# KiCad board hscalla.kicad_pcb (continued)
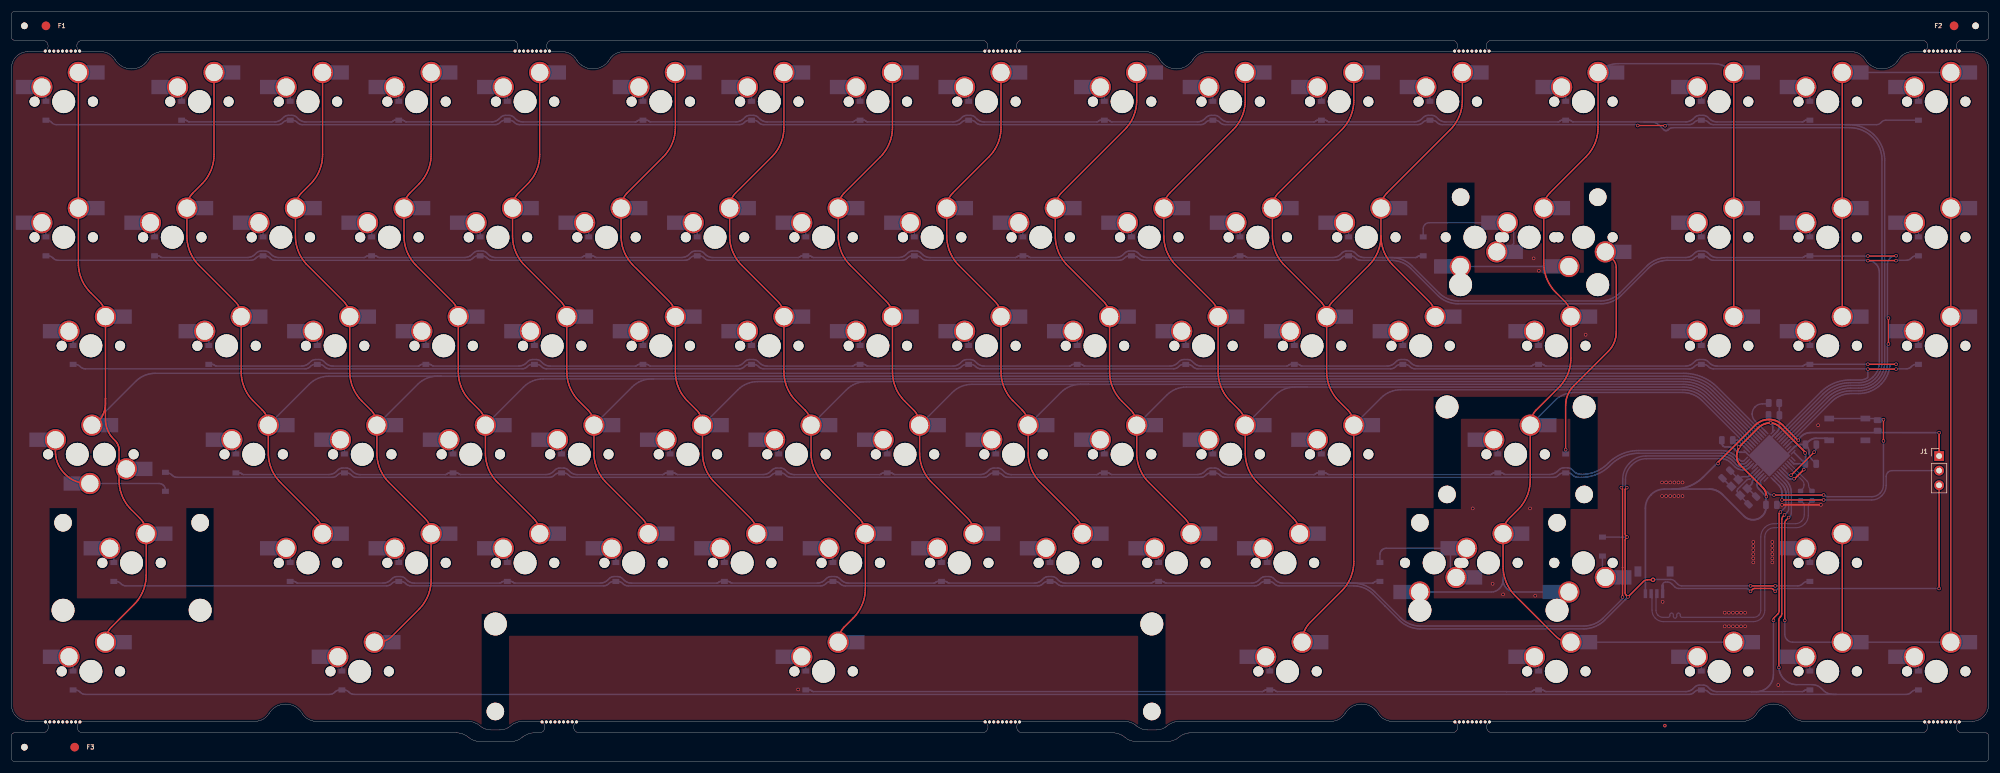
[diagram p0: board, top side]
## Routing (per net, layer and track width the routed paths; a pad name or vN(x,y) marks a point on that pad's centre or on a via; arc(x,y) is an arc through that point) (continued)
col8: length 236.7
  Top w0.25: v2(308.75,24.58) 308.75,41.53 arc(308.81,41.8) 308.96,42.03 v2(309.42,42.49) ; MX84.2 MX49.2 MX33.2 MX17.2 ; MX74.2 MX83.2 ; MX48.2 MX32.2 MX16.2
  Bottom w0.25: U1.8 308.97,48.96 309.08,48.85 309.18,48.74 309.28,48.61 309.36,48.49 309.45,48.36 309.52,48.22 309.59,48.09 309.65,47.95 309.71,47.8 309.76,47.66 309.8,47.51 309.83,47.36 309.86,47.21 309.88,47.05 309.89,46.9 309.89,46.75 309.89,43.25 arc(309.84,42.99) 309.69,42.76 v2(309.42,42.49) ; v2(308.75,24.58) 308.75,22.15 arc(308.85,21.66) 309.13,21.23 309.21,21.16 arc(309.63,20.88) 310.13,20.78 MX83.2 ; MX17.2 MX16.2 ; MX84.2 MX83.2
D+: length 50.1
  Bottom w0.2: R3.2 312.06,44.91 arc(312.12,44.81) 312.15,44.7 312.15,42.96 arc(312.03,42.39) 311.71,41.9 311.66,41.86 arc(311.18,41.54) 310.6,41.42 306.89,41.42 arc(306.01,41.25) 305.26,40.75 305.25,40.73 arc(304.75,39.99) 304.57,39.11 304.57,26.32 arc(304.48,25.87) 304.22,25.48 304.21,25.46 arc(303.82,25.2) 303.36,25.11 290.85,25.11 arc(290.64,25.2) 290.55,25.41 290.55,25.56 arc(290.46,25.77) 290.25,25.86 arc(290.04,25.77) 289.95,25.56 289.95,25.27 arc(289.86,25.06) 289.65,24.97 arc(289.44,25.06) 289.35,25.27 289.35,25.56 arc(289.26,25.77) 289.05,25.86 arc(288.84,25.77) 288.75,25.56 288.75,25.41 arc(288.66,25.2) 288.45,25.11 287.55,25.11 arc(287.09,25.2) 286.7,25.46 286.68,25.48 arc(286.42,25.87) 286.33,26.32 286.33,29.08 J2.3
D-: length 50.2
  Bottom w0.2: J2.2 285.63,29.08 285.63,26.37 arc(285.79,25.6) 286.22,24.95 286.22,24.95 arc(286.87,24.51) 287.64,24.36 303.27,24.36 arc(304.03,24.51) 304.68,24.95 304.69,24.95 arc(305.12,25.6) 305.27,26.37 305.27,39.11 arc(305.4,39.72) 305.74,40.24 305.76,40.25 arc(306.28,40.6) 306.89,40.72 310.72,40.72 arc(311.52,40.88) 312.2,41.34 312.23,41.37 arc(312.69,42.05) 312.85,42.85 312.85,44.7 arc(312.87,44.81) 312.93,44.91 R4.2
RGBLED: length 35.1
  Top w0.25: v2(308.28,45.55) v2(315.51,45.55)
  Bottom w0.25: v2(315.51,45.55) 323.89,45.55 arc(324.81,45.73) 325.59,46.25 325.7,46.36 arc(326.22,47.14) 326.41,48.06 326.41,49.64 arc(326.48,50.02) 326.7,50.35 326.72,50.37 arc(327.04,50.58) 327.42,50.66 J1.2 ; U1.11 307.67,48.15 307.74,48.07 307.81,48 307.87,47.92 307.93,47.84 307.98,47.75 308.03,47.66 308.07,47.57 308.11,47.48 308.15,47.39 308.18,47.29 308.21,47.19 308.23,47.1 308.25,47 308.26,46.9 308.27,46.8 308.27,46.7 308.27,45.55 v2(308.28,45.55)
row0: length 394
  Top w0.25: v2(283.15,110.77) 287.88,110.77
  Bottom w0.25: 128.5,111.69 128.27,111.67 128.04,111.6 127.83,111.49 127.65,111.34 127.58,111.27 127.4,111.12 127.19,111.01 126.96,110.94 126.73,110.92 88.45,110.92 88.22,110.94 87.99,111.01 87.78,111.12 87.6,111.27 87.53,111.34 87.35,111.49 87.14,111.6 86.91,111.67 86.68,111.69 ; 166.3,111.69 166.07,111.67 165.84,111.6 165.63,111.49 165.45,111.34 165.38,111.27 165.2,111.12 164.99,111.01 164.76,110.94 164.53,110.92 130.98,110.92 130.74,110.94 130.51,111.01 130.3,111.12 130.12,111.27 130.05,111.34 129.87,111.49 129.66,111.6 129.44,111.67 129.2,111.69 ; 247.33,111.69 247.56,111.67 247.79,111.6 248,111.49 248.18,111.34 248.25,111.27 248.43,111.12 248.64,111.01 248.87,110.94 249.1,110.92 282.9,110.92 283.05,110.77 v2(283.15,110.77) ; 319.38,110.92 324.73,110.92 arc(325.12,110.99) 325.44,111.21 325.63,111.4 arc(325.95,111.61) 326.34,111.69 332.07,111.69 ; 319.38,110.92 319.95,110.92 320.25,110.91 320.56,110.89 320.86,110.85 321.15,110.8 321.45,110.73 321.74,110.65 322.03,110.56 322.31,110.45 322.58,110.32 322.85,110.19 323.12,110.04 323.37,109.88 323.62,109.7 323.86,109.52 324.09,109.32 324.31,109.11 324.34,109.07 324.55,108.85 324.75,108.63 324.94,108.39 325.11,108.14 325.27,107.89 325.42,107.62 325.56,107.35 325.68,107.08 325.79,106.79 325.88,106.51 325.96,106.22 326.03,105.92 326.08,105.62 326.12,105.32 326.14,105.02 326.15,104.72 326.15,69.53 326.13,69.09 326.06,68.65 325.96,68.23 325.81,67.82 325.62,67.42 325.39,67.04 325.13,66.69 324.84,66.37 324.81,66.34 324.48,66.04 324.13,65.78 323.76,65.56 323.36,65.37 322.95,65.22 322.52,65.11 322.09,65.05 321.65,65.03 320.24,65.03 319.95,65.02 319.67,65 319.39,64.97 319.11,64.92 318.83,64.86 318.55,64.78 318.28,64.69 318.02,64.59 317.76,64.47 317.51,64.34 317.26,64.2 317.02,64.05 316.78,63.89 316.56,63.71 316.35,63.53 316.14,63.33 U1.39 ; 319.38,110.92 296.35,110.92 296.12,110.94 295.89,111.01 295.68,111.12 295.5,111.27 295.43,111.34 295.25,111.49 295.04,111.6 294.81,111.67 294.58,111.69 ; 246.63,111.69 246.39,111.67 246.16,111.6 245.95,111.49 245.77,111.34 245.7,111.27 245.52,111.12 245.31,111.01 245.09,110.94 244.85,110.92 211.3,110.92 211.07,110.94 210.84,111.01 210.63,111.12 210.45,111.27 210.38,111.34 210.2,111.49 209.99,111.6 209.76,111.67 209.53,111.69 ; 287.88,110.77 288.02,110.92 292.1,110.92 292.34,110.94 292.56,111.01 292.77,111.12 292.95,111.27 293.02,111.34 293.2,111.49 293.41,111.6 293.64,111.67 293.88,111.69 ; 48.18,111.69 47.94,111.67 47.71,111.6 47.5,111.49 47.32,111.34 47.25,111.27 47.07,111.12 46.86,111.01 46.64,110.94 46.4,110.92 7.79,110.92 arc(7.41,110.99) 7.09,111.21 6.9,111.4 arc(6.57,111.61) 6.19,111.69 ; 48.88,111.69 49.11,111.67 49.34,111.6 49.55,111.49 49.73,111.34 49.8,111.27 49.98,111.12 50.19,111.01 50.42,110.94 50.65,110.92 84.2,110.92 84.44,110.94 84.66,111.01 84.87,111.12 85.05,111.27 85.12,111.34 85.3,111.49 85.51,111.6 85.74,111.67 85.98,111.69 ; 208.83,111.69 208.59,111.67 208.36,111.6 208.15,111.49 207.97,111.34 207.9,111.27 207.72,111.12 207.51,111.01 207.29,110.94 207.05,110.92 168.78,110.92 168.54,110.94 168.31,111.01 168.1,111.12 167.92,111.27 167.85,111.34 167.67,111.49 167.46,111.6 167.24,111.67 167,111.69
  vias: v2(287.91,110.72)
row1: length 393.4
  Bottom w0.25: D17.1 312.48,111.69 312.38,111.68 312.29,111.65 312.21,111.61 312.13,111.55 312.12,111.53 312.04,111.47 311.96,111.43 311.87,111.4 311.78,111.39 296.98,111.39 296.79,111.4 296.6,111.43 296.41,111.47 296.24,111.54 296.07,111.62 295.9,111.72 295.75,111.83 295.61,111.96 295.38,112.18 295.2,112.33 294.99,112.44 294.77,112.51 294.53,112.54 293.92,112.54 293.69,112.51 293.46,112.44 293.25,112.33 293.07,112.18 292.85,111.97 292.71,111.84 292.56,111.73 292.4,111.63 292.22,111.55 292.05,111.48 291.86,111.44 291.67,111.41 291.49,111.4 284.26,111.4 ; 284.26,111.4 271.94,111.4 271.85,111.41 271.76,111.44 271.67,111.48 271.6,111.54 271.59,111.55 271.52,111.61 271.44,111.65 271.34,111.68 271.25,111.69 D15.1 269.95,111.69 269.86,111.68 269.77,111.65 269.68,111.61 269.61,111.55 269.59,111.53 269.52,111.47 269.44,111.43 269.34,111.4 269.25,111.39 249.73,111.39 249.54,111.4 249.35,111.43 249.16,111.47 248.99,111.54 248.82,111.62 248.65,111.72 248.5,111.83 248.36,111.96 248.13,112.18 247.95,112.33 247.74,112.44 247.52,112.51 247.28,112.54 246.67,112.54 246.44,112.51 246.21,112.44 246,112.33 245.82,112.18 245.6,111.97 245.46,111.84 245.31,111.73 245.15,111.63 244.97,111.55 244.8,111.48 244.61,111.44 244.42,111.41 244.23,111.4 229.42,111.4 229.32,111.41 229.23,111.44 229.15,111.48 229.07,111.54 229.07,111.55 228.99,111.61 228.91,111.65 228.82,111.68 228.73,111.69 D13.1 227.43,111.69 227.33,111.68 227.24,111.65 227.16,111.61 227.08,111.55 227.07,111.53 226.99,111.47 226.91,111.43 226.82,111.4 226.73,111.39 211.93,111.39 211.74,111.4 211.55,111.43 211.36,111.47 211.19,111.54 211.02,111.62 210.85,111.72 210.7,111.83 210.56,111.96 210.33,112.18 210.15,112.33 209.94,112.44 209.72,112.51 209.48,112.54 208.87,112.54 208.64,112.51 208.41,112.44 208.2,112.33 208.02,112.18 207.8,111.97 207.66,111.84 207.51,111.73 207.35,111.63 207.17,111.55 207,111.48 206.81,111.44 206.62,111.41 206.44,111.4 191.62,111.4 191.52,111.41 191.43,111.44 191.35,111.48 191.27,111.54 191.27,111.55 191.19,111.61 191.11,111.65 191.02,111.68 190.93,111.69 D11.1 189.63,111.69 189.53,111.68 189.44,111.65 189.36,111.61 189.28,111.55 189.27,111.53 189.19,111.47 189.11,111.43 189.02,111.4 188.93,111.39 169.4,111.39 169.21,111.4 169.02,111.43 168.84,111.47 168.66,111.54 168.49,111.62 168.33,111.72 168.18,111.83 168.03,111.96 167.81,112.18 167.63,112.33 167.42,112.44 167.19,112.51 166.96,112.54 166.35,112.54 166.11,112.51 165.88,112.44 165.68,112.33 165.49,112.18 165.28,111.97 165.14,111.84 164.98,111.73 164.82,111.63 164.65,111.55 164.47,111.48 164.29,111.44 164.1,111.41 163.91,111.4 149.09,111.4 149,111.41 148.91,111.44 148.82,111.48 148.75,111.54 148.74,111.55 148.67,111.61 148.59,111.65 148.49,111.68 148.4,111.69 D9.1 147.1,111.69 147.01,111.68 146.92,111.65 146.83,111.61 146.76,111.55 146.74,111.53 146.67,111.47 146.59,111.43 146.49,111.4 146.4,111.39 131.6,111.39 131.41,111.4 131.22,111.43 131.04,111.47 130.86,111.54 130.69,111.62 130.53,111.72 130.38,111.83 130.23,111.96 130.01,112.18 129.83,112.33 129.62,112.44 129.39,112.51 129.16,112.54 128.55,112.54 128.31,112.51 128.08,112.44 127.88,112.33 127.69,112.18 127.48,111.97 127.34,111.84 127.18,111.73 127.02,111.63 126.85,111.55 126.67,111.48 126.49,111.44 126.3,111.41 126.11,111.4 111.29,111.4 111.2,111.41 111.11,111.44 111.02,111.48 110.95,111.54 110.94,111.55 110.87,111.61 110.79,111.65 110.69,111.68 110.6,111.69 D7.1 109.3,111.69 109.21,111.68 109.12,111.65 109.03,111.61 108.96,111.55 108.94,111.53 108.87,111.47 108.79,111.43 108.69,111.4 108.6,111.39 89.08,111.39 88.89,111.4 88.7,111.43 88.51,111.47 88.34,111.54 88.17,111.62 88,111.72 87.85,111.83 87.71,111.96 87.48,112.18 87.3,112.33 87.09,112.44 86.87,112.51 86.63,112.54 86.02,112.54 85.79,112.51 85.56,112.44 85.35,112.33 85.17,112.18 84.95,111.97 84.81,111.84 84.66,111.73 84.5,111.63 84.32,111.55 84.15,111.48 83.96,111.44 83.77,111.41 83.58,111.4 68.77,111.4 68.67,111.41 68.58,111.44 68.5,111.48 68.42,111.54 68.42,111.55 68.34,111.61 68.26,111.65 68.17,111.68 68.08,111.69 D5.1 66.78,111.69 66.68,111.68 66.59,111.65 66.51,111.61 66.43,111.55 66.42,111.53 66.34,111.47 66.26,111.43 66.17,111.4 66.08,111.39 51.28,111.39 51.09,111.4 50.9,111.43 50.71,111.47 50.54,111.54 50.37,111.62 50.2,111.72 50.05,111.83 49.91,111.96 49.68,112.18 49.5,112.33 49.29,112.44 49.07,112.51 48.83,112.54 48.22,112.54 47.99,112.51 47.76,112.44 47.55,112.33 47.37,112.18 47.15,111.97 47.01,111.84 46.86,111.73 46.7,111.63 46.52,111.55 46.35,111.48 46.16,111.44 45.97,111.41 45.78,111.4 30.97,111.4 30.87,111.41 30.78,111.44 30.7,111.48 30.62,111.54 30.62,111.55 30.54,111.61 30.46,111.65 30.37,111.68 30.28,111.69 D3.1 ; 284.26,111.4 285.47,111.4 285.87,111.36 286.25,111.24 286.61,111.05 286.92,110.8 287.7,110.01 287.78,109.95 287.86,109.91 287.95,109.88 288.04,109.87 288.1,109.87 288.19,109.88 288.28,109.91 288.36,109.95 288.44,110.01 288.46,110.04 288.64,110.19 288.85,110.3 289.08,110.37 289.31,110.39 320.07,110.39 320.34,110.38 320.61,110.36 320.88,110.33 321.15,110.28 321.42,110.22 321.68,110.15 321.94,110.06 322.19,109.97 322.44,109.86 322.69,109.73 322.92,109.6 323.15,109.45 323.38,109.3 323.59,109.13 323.8,108.95 323.99,108.76 324.05,108.71 324.24,108.51 324.41,108.3 324.58,108.09 324.74,107.87 324.89,107.64 325.02,107.4 325.14,107.16 325.25,106.91 325.35,106.65 325.44,106.39 325.51,106.13 325.57,105.86 325.61,105.6 325.65,105.33 325.67,105.05 325.68,104.78 325.68,69.48 325.66,69.1 325.6,68.72 325.51,68.35 325.38,67.99 325.21,67.64 325.02,67.31 324.79,67 324.53,66.72 324.46,66.65 324.17,66.39 323.87,66.16 323.54,65.96 323.19,65.8 322.83,65.67 322.46,65.58 322.08,65.52 321.69,65.5 320.2,65.5 319.89,65.49 319.59,65.47 319.28,65.43 318.98,65.38 318.68,65.31 318.38,65.23 318.09,65.13 317.8,65.02 317.52,64.9 317.24,64.76 316.97,64.61 316.71,64.44 316.46,64.27 316.22,64.08 315.99,63.88 315.76,63.66 U1.38
row2: length 371.4
  Top w0.25: v2(328.13,87.24) v2(323.22,87.24)
  Bottom w0.25: 195.35,88.07 195.59,88.04 195.81,87.97 196.02,87.86 196.2,87.71 196.27,87.64 196.45,87.49 196.66,87.38 196.89,87.31 197.13,87.29 230.68,87.29 230.91,87.31 231.14,87.38 231.35,87.49 231.53,87.64 231.6,87.71 231.78,87.86 231.99,87.97 232.22,88.04 232.45,88.07 ; 331.68,88.07 331.44,88.04 331.21,87.97 331,87.86 330.82,87.71 330.75,87.64 330.57,87.49 330.36,87.38 330.14,87.31 329.9,87.29 328.19,87.29 v2(328.13,87.24) ; 119.75,88.07 119.99,88.04 120.21,87.97 120.42,87.86 120.6,87.71 120.67,87.64 120.85,87.49 121.06,87.38 121.29,87.31 121.53,87.29 155.08,87.29 155.31,87.31 155.54,87.38 155.75,87.49 155.93,87.64 156,87.71 156.18,87.86 156.39,87.97 156.62,88.04 156.85,88.07 ; 293.88,88.07 293.64,88.04 293.41,87.97 293.2,87.86 293.02,87.71 292.95,87.64 292.77,87.49 292.56,87.38 292.34,87.31 292.1,87.29 288.38,87.29 288.14,87.28 287.9,87.27 287.67,87.24 287.43,87.2 287.2,87.15 286.97,87.08 286.75,87.01 286.53,86.92 286.31,86.83 286.1,86.72 285.89,86.6 285.69,86.48 285.5,86.34 285.31,86.19 285.13,86.04 284.96,85.88 280.29,81.2 280.11,81.03 279.92,80.87 279.72,80.71 279.52,80.57 279.31,80.44 279.09,80.31 278.87,80.2 278.64,80.1 278.41,80.01 278.17,79.93 277.93,79.87 277.69,79.81 277.44,79.77 277.2,79.74 276.95,79.72 276.7,79.72 251.9,79.72 251.65,79.72 251.4,79.74 251.16,79.77 250.91,79.81 250.67,79.87 250.43,79.93 250.19,80.01 249.96,80.1 249.73,80.2 249.51,80.31 249.29,80.44 249.08,80.57 248.88,80.71 248.68,80.87 248.5,81.03 248.32,81.2 243.64,85.88 243.47,86.04 243.29,86.19 243.1,86.34 242.91,86.48 242.71,86.6 242.5,86.72 242.29,86.83 242.07,86.92 241.85,87.01 241.63,87.08 241.4,87.15 241.17,87.2 240.93,87.24 240.7,87.27 240.46,87.28 240.23,87.29 234.93,87.29 234.69,87.31 234.46,87.38 234.25,87.49 234.07,87.64 234,87.71 233.82,87.86 233.61,87.97 233.39,88.04 233.15,88.07 ; 294.58,88.07 294.81,88.04 295.04,87.97 295.25,87.86 295.43,87.71 295.5,87.64 295.68,87.49 295.89,87.38 296.12,87.31 296.35,87.29 323.17,87.29 323.22,87.24 ; U1.37 315.39,63.99 315.63,64.22 315.88,64.44 316.14,64.64 316.41,64.83 316.69,65.01 316.98,65.18 317.28,65.32 317.58,65.46 317.89,65.58 318.21,65.68 318.52,65.77 318.85,65.84 319.18,65.9 319.5,65.94 319.84,65.97 320.17,65.97 321.67,65.97 322.02,65.99 322.36,66.04 322.69,66.12 323.01,66.24 323.32,66.39 323.62,66.56 323.89,66.77 324.15,67 324.18,67.03 324.41,67.28 324.61,67.56 324.79,67.85 324.94,68.16 325.05,68.49 325.14,68.82 325.19,69.16 325.2,69.5 325.2,85.26 325.19,85.51 325.14,85.77 325.05,86.01 324.94,86.25 324.79,86.46 324.62,86.66 324.43,86.83 324.21,86.97 323.98,87.09 323.73,87.17 323.48,87.22 323.22,87.24 ; 44.15,88.07 44.39,88.04 44.61,87.97 44.82,87.86 45,87.71 45.07,87.64 45.25,87.49 45.46,87.38 45.69,87.31 45.93,87.29 79.48,87.29 79.71,87.31 79.94,87.38 80.15,87.49 80.33,87.64 80.4,87.71 80.58,87.86 80.79,87.97 81.02,88.04 81.25,88.07 ; 119.05,88.07 118.82,88.04 118.59,87.97 118.38,87.86 118.2,87.71 118.13,87.64 117.95,87.49 117.74,87.38 117.51,87.31 117.28,87.29 83.73,87.29 83.49,87.31 83.26,87.38 83.05,87.49 82.87,87.64 82.8,87.71 82.62,87.86 82.41,87.97 82.19,88.04 81.95,88.07 ; 157.55,88.07 157.79,88.04 158.01,87.97 158.22,87.86 158.4,87.71 158.47,87.64 158.65,87.49 158.86,87.38 159.09,87.31 159.33,87.29 192.88,87.29 193.11,87.31 193.34,87.38 193.55,87.49 193.73,87.64 193.8,87.71 193.98,87.86 194.19,87.97 194.42,88.04 194.65,88.07 ; 6.35,88.07 6.59,88.04 6.81,87.97 7.02,87.86 7.2,87.71 7.27,87.64 7.45,87.49 7.66,87.38 7.89,87.31 8.13,87.29 41.68,87.29 41.91,87.31 42.14,87.38 42.35,87.49 42.53,87.64 42.6,87.71 42.78,87.86 42.99,87.97 43.22,88.04 43.45,88.07 ; 323.22,87.24 v2(323.22,87.24)
row3: length 365.3
  Top w0.25: v2(326.8,77.22) v2(326.8,72.72) ; v2(323.22,88.04) 328.08,88.04
  Bottom w0.25: D32.1 245.15,88.07 245.06,88.06 244.97,88.03 244.88,87.98 244.81,87.92 244.79,87.91 244.72,87.85 244.64,87.8 244.54,87.77 244.45,87.77 238.75,87.77 ; v2(326.8,72.72) 326.62,72.53 326.62,69.54 326.61,69.21 326.58,68.89 326.52,68.57 326.45,68.26 326.36,67.95 326.24,67.64 326.11,67.35 325.96,67.06 325.79,66.79 325.6,66.52 325.39,66.27 325.17,66.04 325.14,66.01 324.9,65.78 324.65,65.58 324.39,65.39 324.12,65.22 323.83,65.07 323.53,64.93 323.23,64.82 322.92,64.73 322.61,64.65 322.29,64.6 321.96,64.57 321.64,64.56 320.27,64.56 320.01,64.55 319.75,64.53 319.49,64.5 319.23,64.45 318.98,64.4 318.73,64.33 318.48,64.25 318.24,64.15 318,64.05 317.77,63.93 317.54,63.8 317.32,63.66 317.11,63.51 316.9,63.35 316.7,63.18 316.52,63 U1.40 ; 238.75,87.77 240.29,87.77 240.54,87.76 240.78,87.74 241.03,87.71 241.28,87.67 241.52,87.61 241.76,87.55 242,87.47 242.23,87.38 242.45,87.28 242.68,87.17 242.89,87.04 243.1,86.91 243.31,86.77 243.5,86.61 243.69,86.45 243.87,86.28 248.52,81.63 248.69,81.47 248.87,81.31 249.06,81.17 249.25,81.03 249.45,80.9 249.66,80.79 249.87,80.68 250.09,80.58 250.31,80.5 250.54,80.42 250.76,80.36 251,80.31 251.23,80.27 251.46,80.24 251.7,80.22 251.94,80.22 276.66,80.22 276.9,80.22 277.14,80.24 277.37,80.27 277.61,80.31 277.84,80.36 278.07,80.42 278.29,80.5 278.51,80.58 278.73,80.68 278.94,80.79 279.15,80.9 279.35,81.03 279.54,81.17 279.73,81.31 279.91,81.47 280.08,81.63 284.74,86.29 284.92,86.46 285.11,86.62 285.3,86.78 285.51,86.92 285.72,87.05 285.93,87.18 286.16,87.29 286.38,87.39 286.62,87.48 286.85,87.56 287.09,87.62 287.33,87.68 287.58,87.72 287.83,87.75 288.07,87.77 288.32,87.78 291.49,87.78 291.67,87.78 291.86,87.81 292.05,87.86 292.22,87.92 292.4,88 292.56,88.1 292.71,88.21 292.85,88.34 293.07,88.56 293.25,88.71 293.46,88.82 293.69,88.89 293.92,88.91 294.53,88.91 294.77,88.89 294.99,88.82 295.2,88.71 295.38,88.56 295.61,88.33 295.75,88.2 295.9,88.09 296.07,87.99 296.24,87.91 296.41,87.85 296.6,87.8 296.79,87.77 296.98,87.77 311.78,87.77 311.87,87.77 311.96,87.8 312.04,87.85 312.12,87.91 312.13,87.92 312.21,87.98 312.29,88.03 312.38,88.06 312.48,88.07 D34.1 ; 238.75,87.77 235.55,87.77 235.36,87.77 235.17,87.8 234.99,87.85 234.81,87.91 234.64,87.99 234.48,88.09 234.33,88.2 234.18,88.33 233.96,88.56 233.78,88.71 233.57,88.82 233.34,88.89 233.11,88.91 232.5,88.91 232.26,88.89 232.03,88.82 231.83,88.71 231.64,88.56 231.43,88.34 231.29,88.21 231.13,88.1 230.97,88 230.8,87.92 230.62,87.86 230.44,87.81 230.25,87.78 230.06,87.78 215.24,87.78 215.15,87.78 215.06,87.81 214.97,87.86 214.9,87.92 214.89,87.92 214.82,87.98 214.74,88.03 214.64,88.06 214.55,88.07 D30.1 213.25,88.07 213.16,88.06 213.07,88.03 212.98,87.98 212.91,87.92 212.89,87.91 212.82,87.85 212.74,87.8 212.64,87.77 212.55,87.77 197.75,87.77 197.56,87.77 197.37,87.8 197.19,87.85 197.01,87.91 196.84,87.99 196.68,88.09 196.53,88.2 196.38,88.33 196.16,88.56 195.98,88.71 195.77,88.82 195.54,88.89 195.31,88.91 194.7,88.91 194.46,88.89 194.23,88.82 194.03,88.71 193.84,88.56 193.63,88.34 193.49,88.21 193.33,88.1 193.17,88 193,87.92 192.82,87.86 192.64,87.81 192.45,87.78 192.26,87.78 177.44,87.78 177.35,87.78 177.26,87.81 177.17,87.86 177.1,87.92 177.09,87.92 177.02,87.98 176.94,88.03 176.84,88.06 176.75,88.07 D28.1 175.45,88.07 175.36,88.06 175.27,88.03 175.18,87.98 175.11,87.92 175.09,87.91 175.02,87.85 174.94,87.8 174.84,87.77 174.75,87.77 159.95,87.77 159.76,87.77 159.57,87.8 159.39,87.85 159.21,87.91 159.04,87.99 158.88,88.09 158.73,88.2 158.58,88.33 158.36,88.56 158.18,88.71 157.97,88.82 157.74,88.89 157.51,88.91 156.9,88.91 156.66,88.89 156.43,88.82 156.23,88.71 156.04,88.56 155.83,88.34 155.69,88.21 155.53,88.1 155.37,88 155.2,87.92 155.02,87.86 154.84,87.81 154.65,87.78 154.46,87.78 139.64,87.78 139.55,87.78 139.46,87.81 139.37,87.86 139.3,87.92 139.29,87.92 139.22,87.98 139.14,88.03 139.04,88.06 138.95,88.07 D26.1 137.65,88.07 137.56,88.06 137.47,88.03 137.38,87.98 137.31,87.92 137.29,87.91 137.22,87.85 137.14,87.8 137.04,87.77 136.95,87.77 122.15,87.77 121.96,87.77 121.77,87.8 121.59,87.85 121.41,87.91 121.24,87.99 121.08,88.09 120.93,88.2 120.78,88.33 120.56,88.56 120.38,88.71 120.17,88.82 119.94,88.89 119.71,88.91 119.1,88.91 118.86,88.89 118.63,88.82 118.43,88.71 118.24,88.56 118.03,88.34 117.89,88.21 117.73,88.1 117.57,88 117.4,87.92 117.22,87.86 117.04,87.81 116.85,87.78 116.66,87.78 101.84,87.78 101.75,87.78 101.66,87.81 101.57,87.86 101.5,87.92 101.49,87.92 101.42,87.98 101.34,88.03 101.24,88.06 101.15,88.07 D24.1 99.85,88.07 99.76,88.06 99.67,88.03 99.58,87.98 99.51,87.92 99.49,87.91 99.42,87.85 99.34,87.8 99.24,87.77 99.15,87.77 84.35,87.77 84.16,87.77 83.97,87.8 83.79,87.85 83.61,87.91 83.44,87.99 83.28,88.09 83.13,88.2 82.98,88.33 82.76,88.56 82.58,88.71 82.37,88.82 82.14,88.89 81.91,88.91 81.3,88.91 81.06,88.89 80.83,88.82 80.63,88.71 80.44,88.56 80.23,88.34 80.09,88.21 79.93,88.1 79.77,88 79.6,87.92 79.42,87.86 79.24,87.81 79.05,87.78 78.86,87.78 64.04,87.78 63.95,87.78 63.86,87.81 63.77,87.86 63.7,87.92 63.69,87.92 63.62,87.98 63.54,88.03 63.44,88.06 63.35,88.07 D22.1 62.05,88.07 61.96,88.06 61.87,88.03 61.78,87.98 61.71,87.92 61.69,87.91 61.62,87.85 61.54,87.8 61.44,87.77 61.35,87.77 46.55,87.77 46.36,87.77 46.17,87.8 45.99,87.85 45.81,87.91 45.64,87.99 45.48,88.09 45.33,88.2 45.18,88.33 44.96,88.56 44.78,88.71 44.57,88.82 44.34,88.89 44.11,88.91 43.5,88.91 43.26,88.89 43.03,88.82 42.83,88.71 42.64,88.56 42.43,88.34 42.29,88.21 42.13,88.1 41.97,88 41.8,87.92 41.62,87.86 41.44,87.81 41.25,87.78 41.06,87.78 26.24,87.78 26.15,87.78 26.06,87.81 25.97,87.86 25.9,87.92 25.89,87.92 25.82,87.98 25.74,88.03 25.64,88.06 25.55,88.07 D20.1 ; v2(323.22,88.04) 313.15,88.04 ; v2(326.8,77.22) 326.62,77.4 326.62,86.59 326.64,86.82 326.69,87.05 326.78,87.27 326.91,87.47 327.06,87.65 327.24,87.8 327.44,87.92 327.66,88.01 327.89,88.07 328.12,88.09 v2(328.13,88.09) 328.08,88.04
row4: length 340.2
  Top w0.25: v2(328.13,68.34) v2(323.22,68.34)
  Bottom w0.25: 331.68,69.17 331.44,69.14 331.21,69.07 331,68.96 330.82,68.81 330.75,68.74 330.57,68.59 330.36,68.48 330.14,68.41 329.9,68.39 328.19,68.39 v2(328.13,68.34) ; 52.9,69.17 52.67,69.14 52.44,69.07 52.23,68.96 52.05,68.81 51.98,68.74 51.8,68.59 51.59,68.48 51.36,68.41 51.13,68.39 12.85,68.39 12.62,68.41 12.39,68.48 12.18,68.59 12,68.74 11.93,68.81 11.75,68.96 11.54,69.07 11.31,69.14 11.08,69.17 ; 242.6,69.17 242.84,69.14 243.06,69.07 243.27,68.96 243.45,68.81 243.52,68.74 243.7,68.59 243.91,68.48 244.14,68.41 244.38,68.39 292.1,68.39 292.34,68.41 292.56,68.48 292.77,68.59 292.95,68.74 293.02,68.81 293.2,68.96 293.41,69.07 293.64,69.14 293.88,69.17 ; 90.7,69.17 90.47,69.14 90.24,69.07 90.03,68.96 89.85,68.81 89.78,68.74 89.6,68.59 89.39,68.48 89.16,68.41 88.93,68.39 55.38,68.39 55.14,68.41 54.91,68.48 54.7,68.59 54.52,68.74 54.45,68.81 54.27,68.96 54.06,69.07 53.84,69.14 53.6,69.17 ; 91.4,69.17 91.64,69.14 91.86,69.07 92.07,68.96 92.25,68.81 92.32,68.74 92.5,68.59 92.71,68.48 92.94,68.41 93.18,68.39 126.73,68.39 126.96,68.41 127.19,68.48 127.4,68.59 127.58,68.74 127.65,68.81 127.83,68.96 128.04,69.07 128.27,69.14 128.5,69.17 ; 167,69.17 167.24,69.14 167.46,69.07 167.67,68.96 167.85,68.81 167.92,68.74 168.1,68.59 168.31,68.48 168.54,68.41 168.78,68.39 202.33,68.39 202.56,68.41 202.79,68.48 203,68.59 203.18,68.74 203.25,68.81 203.43,68.96 203.64,69.07 203.87,69.14 204.1,69.17 ; 166.3,69.17 166.07,69.14 165.84,69.07 165.63,68.96 165.45,68.81 165.38,68.74 165.2,68.59 164.99,68.48 164.76,68.41 164.53,68.39 130.98,68.39 130.74,68.41 130.51,68.48 130.3,68.59 130.12,68.74 130.05,68.81 129.87,68.96 129.66,69.07 129.44,69.14 129.2,69.17 ; 204.8,69.17 205.04,69.14 205.26,69.07 205.47,68.96 205.65,68.81 205.72,68.74 205.9,68.59 206.11,68.48 206.34,68.41 206.58,68.39 240.13,68.39 240.36,68.41 240.59,68.48 240.8,68.59 240.98,68.74 241.05,68.81 241.23,68.96 241.44,69.07 241.67,69.14 241.9,69.17 ; 323.17,68.39 296.35,68.39 296.12,68.41 295.89,68.48 295.68,68.59 295.5,68.74 295.43,68.81 295.25,68.96 295.04,69.07 294.81,69.14 294.58,69.17 ; U1.36 315.01,64.33 315.27,64.57 315.54,64.8 315.82,65.02 316.11,65.23 316.41,65.42 316.72,65.59 317.04,65.75 317.36,65.9 317.69,66.02 318.03,66.13 318.37,66.23 318.72,66.31 319.07,66.37 319.42,66.41 319.78,66.44 320.13,66.45 322.02,66.45 322.27,66.48 322.56,66.56 322.84,66.66 323.06,66.76 323.22,66.92 v2(323.22,68.34)
row5: length 324.8
  Top w0.25: v2(323.22,69.19) v2(328.13,69.19)
  Bottom w0.25: D51.1 312.48,69.17 312.38,69.16 312.29,69.13 312.21,69.08 312.13,69.02 312.12,69.01 312.04,68.95 311.96,68.9 311.87,68.87 311.78,68.87 296.98,68.87 296.79,68.87 296.6,68.9 296.41,68.95 296.24,69.01 296.07,69.09 295.9,69.19 295.75,69.3 295.61,69.43 295.38,69.66 295.2,69.81 294.99,69.92 294.77,69.99 294.53,70.01 293.92,70.01 293.69,69.99 293.46,69.92 293.25,69.81 293.07,69.66 292.85,69.44 292.71,69.31 292.56,69.2 292.4,69.1 292.22,69.02 292.05,68.96 291.86,68.91 291.67,68.88 291.49,68.88 267.22,68.88 267.12,68.88 267.03,68.91 266.95,68.96 266.87,69.02 266.87,69.02 266.79,69.08 266.71,69.13 266.62,69.16 266.53,69.17 D49.1 265.23,69.17 265.13,69.16 265.04,69.13 264.96,69.08 264.88,69.02 264.87,69.01 264.79,68.95 264.71,68.9 264.62,68.87 264.53,68.87 245,68.87 244.81,68.87 244.62,68.9 244.44,68.95 244.26,69.01 244.09,69.09 243.93,69.19 243.78,69.3 243.63,69.43 243.41,69.66 243.23,69.81 243.02,69.92 242.79,69.99 242.56,70.01 241.95,70.01 241.71,69.99 241.48,69.92 241.28,69.81 241.09,69.66 240.88,69.44 240.74,69.31 240.58,69.2 240.42,69.1 240.25,69.02 240.07,68.96 239.89,68.91 239.7,68.88 239.51,68.88 224.69,68.88 224.6,68.88 224.51,68.91 224.42,68.96 224.35,69.02 224.34,69.02 224.27,69.08 224.19,69.13 224.09,69.16 224,69.17 D47.1 222.7,69.17 222.61,69.16 222.52,69.13 222.43,69.08 222.36,69.02 222.34,69.01 222.27,68.95 222.19,68.9 222.09,68.87 222,68.87 207.2,68.87 207.01,68.87 206.82,68.9 206.64,68.95 206.46,69.01 206.29,69.09 206.13,69.19 205.98,69.3 205.83,69.43 205.61,69.66 205.43,69.81 205.22,69.92 204.99,69.99 204.76,70.01 204.15,70.01 203.91,69.99 203.68,69.92 203.48,69.81 203.29,69.66 203.08,69.44 202.94,69.31 202.78,69.2 202.62,69.1 202.45,69.02 202.27,68.96 202.09,68.91 201.9,68.88 201.71,68.88 186.89,68.88 186.8,68.88 186.71,68.91 186.62,68.96 186.55,69.02 186.54,69.02 186.47,69.08 186.39,69.13 186.29,69.16 186.2,69.17 D45.1 184.9,69.17 184.81,69.16 184.72,69.13 184.63,69.08 184.56,69.02 184.54,69.01 184.47,68.95 184.39,68.9 184.29,68.87 184.2,68.87 169.4,68.87 169.21,68.87 169.02,68.9 168.84,68.95 168.66,69.01 168.49,69.09 168.33,69.19 168.18,69.3 168.03,69.43 167.81,69.66 167.63,69.81 167.42,69.92 167.19,69.99 166.96,70.01 166.35,70.01 166.11,69.99 165.88,69.92 165.68,69.81 165.49,69.66 165.28,69.44 165.14,69.31 164.98,69.2 164.82,69.1 164.65,69.02 164.47,68.96 164.29,68.91 164.1,68.88 163.91,68.88 149.09,68.88 149,68.88 148.91,68.91 148.82,68.96 148.75,69.02 148.74,69.02 148.67,69.08 148.59,69.13 148.49,69.16 148.4,69.17 D43.1 147.1,69.17 147.01,69.16 146.92,69.13 146.83,69.08 146.76,69.02 146.74,69.01 146.67,68.95 146.59,68.9 146.49,68.87 146.4,68.87 131.6,68.87 131.41,68.87 131.22,68.9 131.04,68.95 130.86,69.01 130.69,69.09 130.53,69.19 130.38,69.3 130.23,69.43 130.01,69.66 129.83,69.81 129.62,69.92 129.39,69.99 129.16,70.01 128.55,70.01 128.31,69.99 128.08,69.92 127.88,69.81 127.69,69.66 127.48,69.44 127.34,69.31 127.18,69.2 127.02,69.1 126.85,69.02 126.67,68.96 126.49,68.91 126.3,68.88 126.11,68.88 111.29,68.88 111.2,68.88 111.11,68.91 111.02,68.96 110.95,69.02 110.94,69.02 110.87,69.08 110.79,69.13 110.69,69.16 110.6,69.17 D41.1 109.3,69.17 109.21,69.16 109.12,69.13 109.03,69.08 108.96,69.02 108.94,69.01 108.87,68.95 108.79,68.9 108.69,68.87 108.6,68.87 93.8,68.87 93.61,68.87 93.42,68.9 93.24,68.95 93.06,69.01 92.89,69.09 92.73,69.19 92.58,69.3 92.43,69.43 92.21,69.66 92.03,69.81 91.82,69.92 91.59,69.99 91.36,70.01 90.75,70.01 90.51,69.99 90.28,69.92 90.08,69.81 89.89,69.66 89.68,69.44 89.54,69.31 89.38,69.2 89.22,69.1 89.05,69.02 88.87,68.96 88.69,68.91 88.5,68.88 88.31,68.88 73.49,68.88 73.4,68.88 73.31,68.91 73.22,68.96 73.15,69.02 73.14,69.02 73.07,69.08 72.99,69.13 72.89,69.16 72.8,69.17 D39.1 71.5,69.17 71.41,69.16 71.32,69.13 71.23,69.08 71.16,69.02 71.14,69.01 71.07,68.95 70.99,68.9 70.89,68.87 70.8,68.87 56,68.87 55.81,68.87 55.62,68.9 55.44,68.95 55.26,69.01 55.09,69.09 54.93,69.19 54.78,69.3 54.63,69.43 54.41,69.66 54.23,69.81 54.02,69.92 53.79,69.99 53.56,70.01 52.95,70.01 52.71,69.99 52.48,69.92 52.28,69.81 52.09,69.66 51.88,69.44 51.74,69.31 51.58,69.2 51.42,69.1 51.25,69.02 51.07,68.96 50.89,68.91 50.7,68.88 50.51,68.88 35.69,68.88 35.6,68.88 35.51,68.91 35.42,68.96 35.35,69.02 35.34,69.02 35.27,69.08 35.19,69.13 35.09,69.16 35,69.17 D37.1 ; v2(323.22,69.19) 313.15,69.19 ; U1.41 316.89,62.67 317.06,62.83 317.24,62.99 317.43,63.13 317.62,63.27 317.82,63.4 318.03,63.51 318.24,63.62 318.46,63.72 318.68,63.8 318.9,63.88 319.13,63.94 319.36,63.99 319.6,64.03 319.83,64.06 320.07,64.08 320.31,64.08 321.63,64.08 321.98,64.1 322.34,64.13 322.69,64.19 323.04,64.27 323.38,64.37 323.71,64.5 324.03,64.64 324.35,64.81 324.65,65 324.94,65.21 325.21,65.43 325.47,65.67 325.5,65.71 325.74,65.97 325.97,66.24 326.18,66.53 326.36,66.83 326.53,67.14 326.68,67.47 326.8,67.8 326.91,68.14 326.99,68.49 327.05,68.84 327.05,68.89 327.09,69.01 327.17,69.1 327.27,69.17 327.39,69.19 v2(328.13,69.19)